# KiCad board motherboard.kicad_pcb
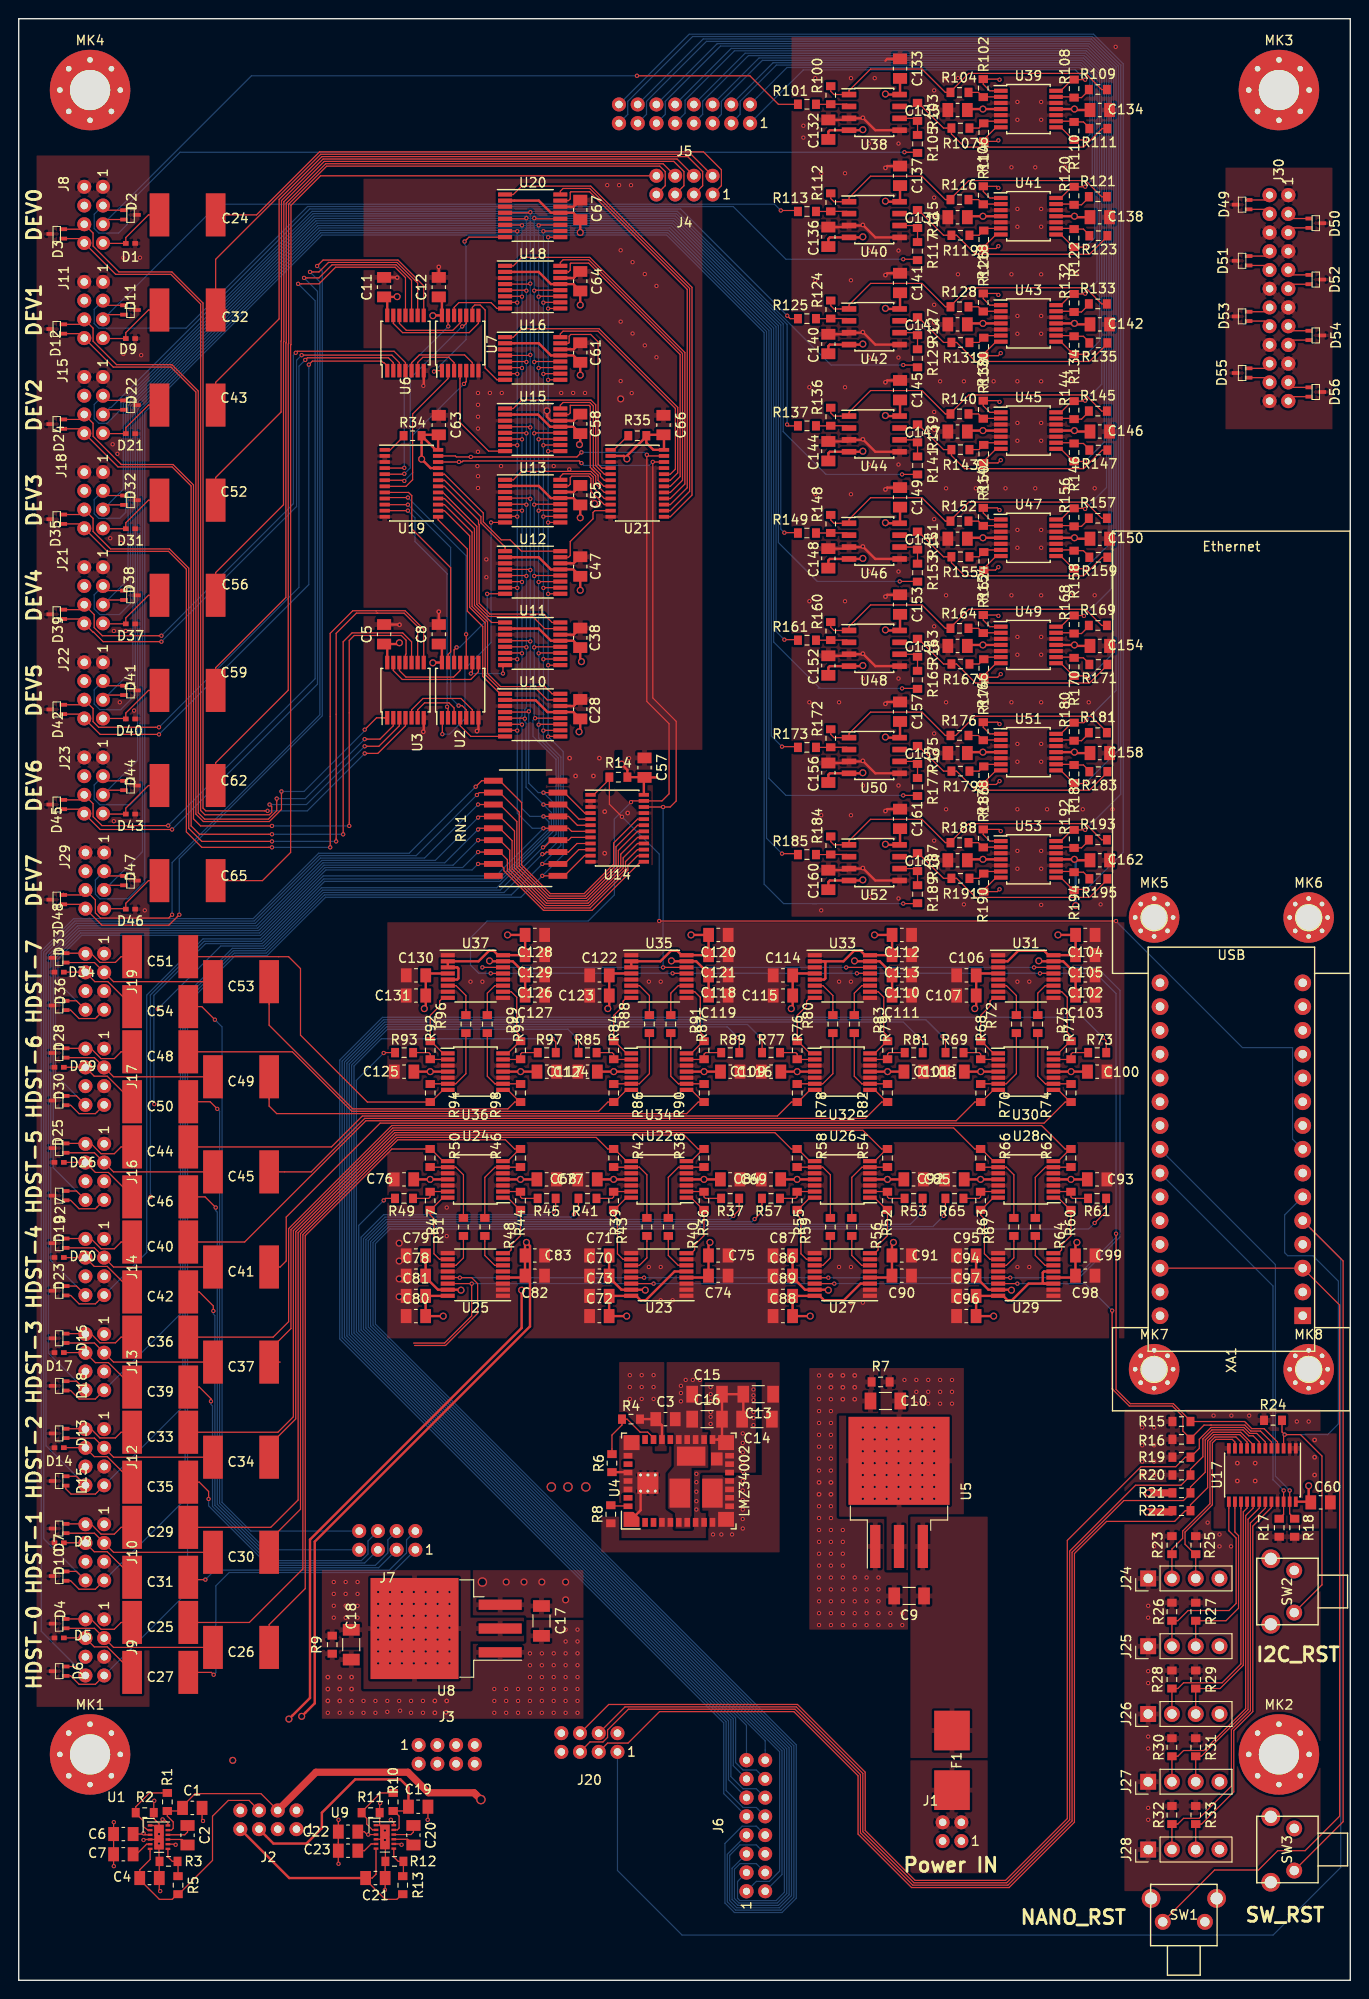
[diagram p0: board, top side]
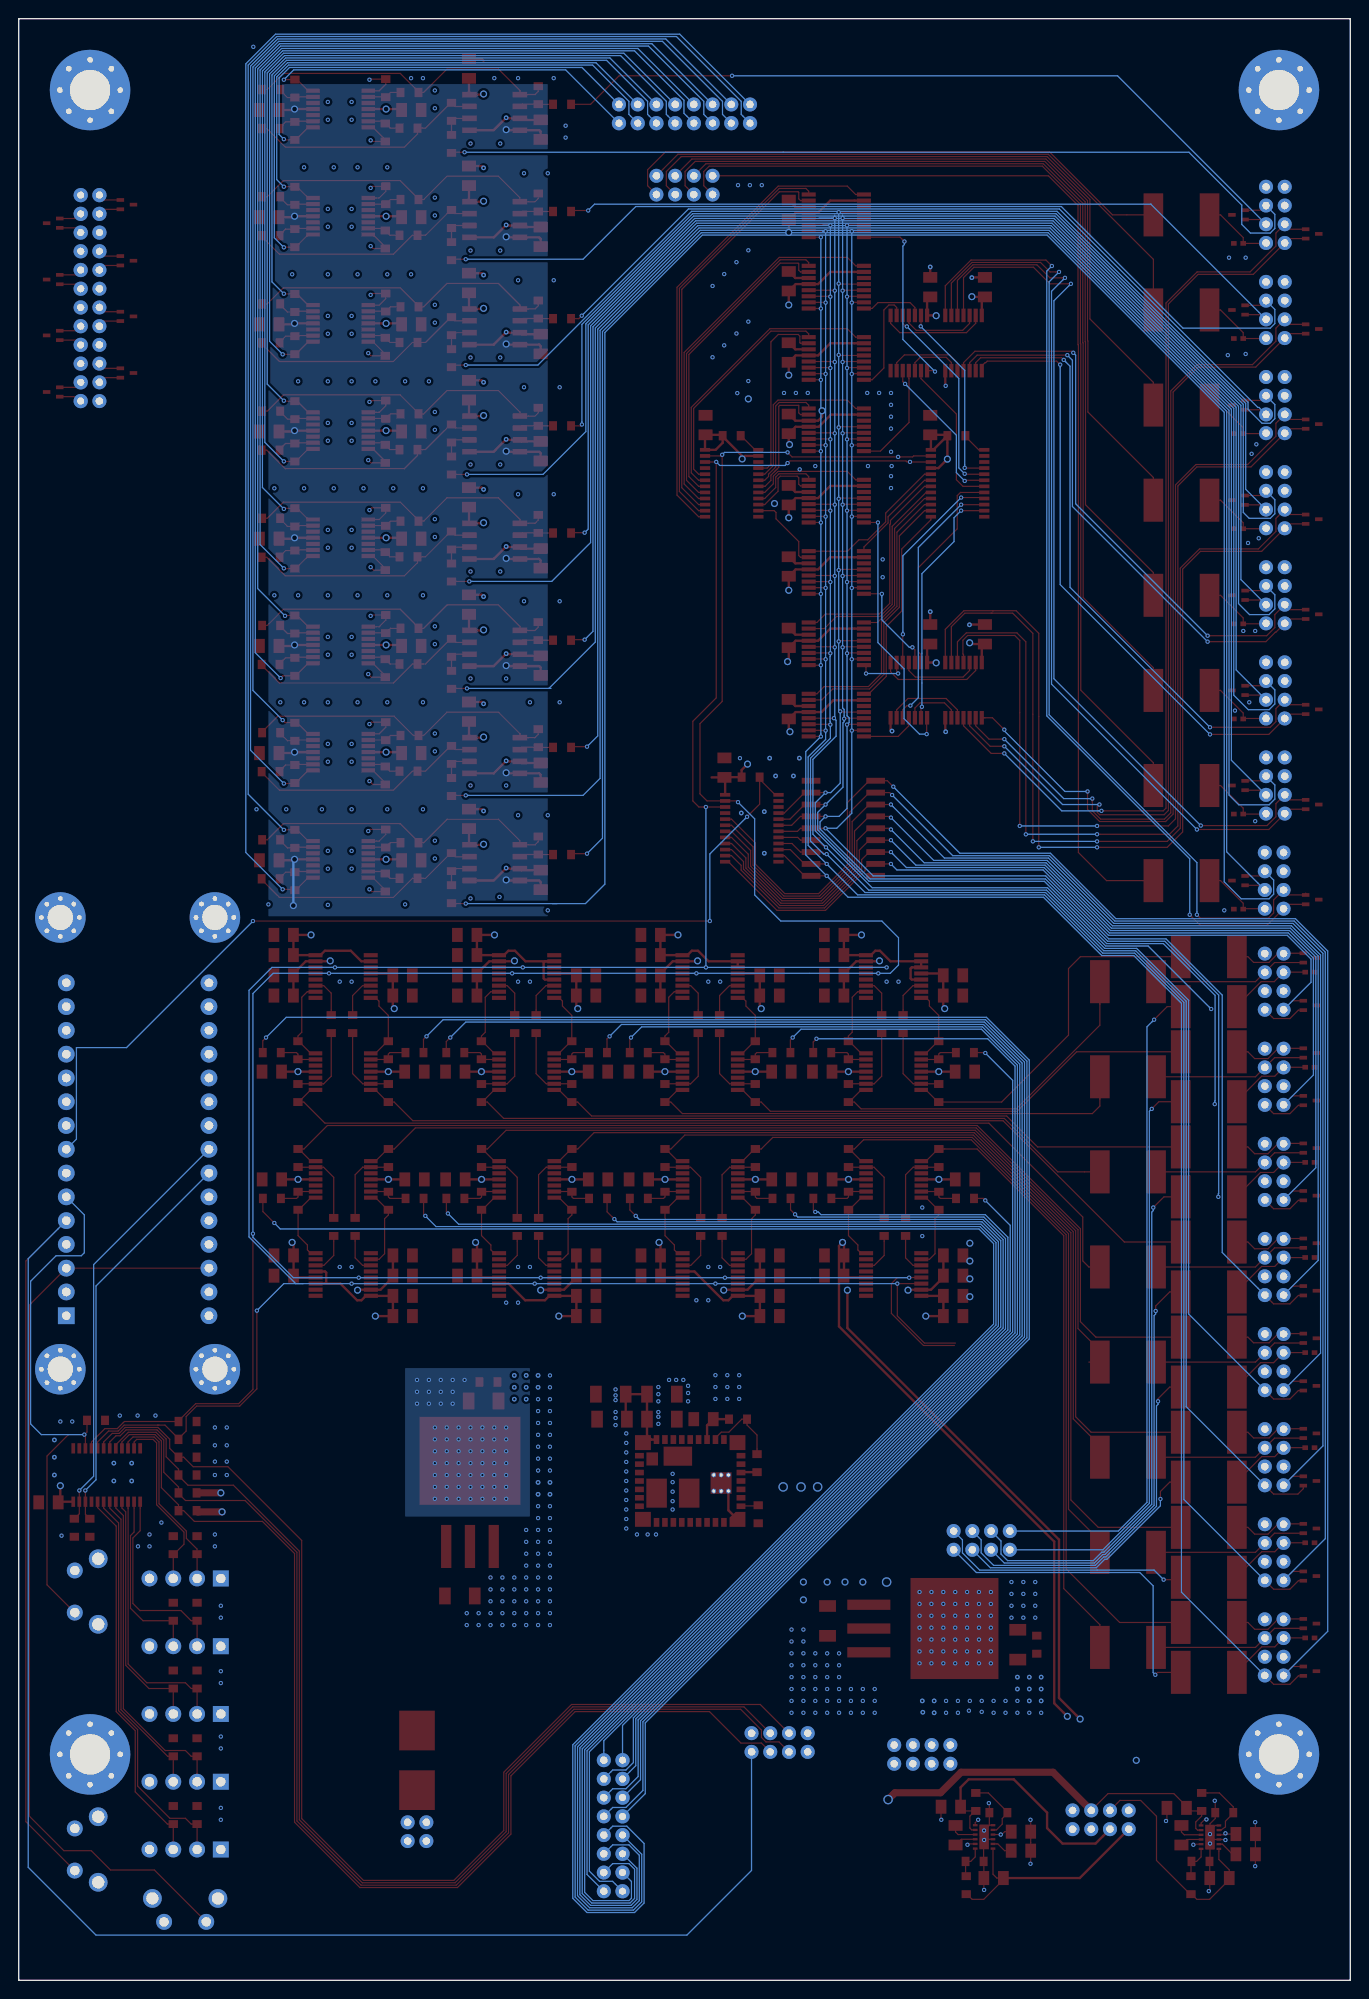
[diagram p1: board, bottom side, seen from below]

Outline 142.24 x 209.55 mm; copper layers: Top, In1.Cu (plane), In2.Cu (plane), Bottom. Coordinates in mm from the lower left corner of the outline.
Outline path: 0,209.55 142.24,209.55 142.24,0 0,0 0,209.55

## Placement (name value [footprint] x y rotation side)
C1  2u2F  [C_0805_2012Metric_Pad1.15x1.50mm_HandSolder]  18.54 18.42 0 top
C2  0.47uF  [C_0805_2012Metric_Pad1.15x1.50mm_HandSolder]  18.03 15.49 270 top
C3  15uF  [C_0805_2012Metric_Pad1.15x1.50mm_HandSolder]  69.09 59.94 0 top
C4  2u2F  [C_0805_2012Metric_Pad1.15x1.50mm_HandSolder]  13.97 10.92 180 top
C5  0.1uF  [C_0805_2012Metric_Pad1.15x1.50mm_HandSolder]  39.03 143.79 90 top
C6  4u7F  [C_0805_2012Metric_Pad1.15x1.50mm_HandSolder]  11.18 15.62 180 top
C7  4u7F  [C_0805_2012Metric_Pad1.15x1.50mm_HandSolder]  11.18 13.46 180 top
C8  0.1uF  [C_0805_2012Metric_Pad1.15x1.50mm_HandSolder]  44.87 143.79 90 top
C9  10uF  [C_1206_3216Metric_Pad1.24x1.80mm_HandSolder]  95.12 41.06 180 top
C10  10uF  [C_1206_3216Metric_Pad1.24x1.80mm_HandSolder]  92.58 61.89 180 top
C11  0.1uF  [C_0805_2012Metric_Pad1.15x1.50mm_HandSolder]  39.03 180.87 90 top
C12  0.1uF  [C_0805_2012Metric_Pad1.15x1.50mm_HandSolder]  44.87 180.87 90 top
C13  22uF  [C_1206_3216Metric_Pad1.24x1.80mm_HandSolder]  78.99 62.61 180 top
C14  22uF  [C_1206_3216Metric_Pad1.24x1.80mm_HandSolder]  78.87 59.94 180 top
C15  22uF  [C_1206_3216Metric_Pad1.24x1.80mm_HandSolder]  73.53 62.61 0 top
C16  22uF  [C_1206_3216Metric_Pad1.24x1.80mm_HandSolder]  73.53 59.94 0 top
C17  10uF  [C_1206_3216Metric_Pad1.24x1.80mm_HandSolder]  55.84 38.39 270 top
C18  10uF  [C_1206_3216Metric_Pad1.24x1.80mm_HandSolder]  35.52 35.85 270 top
C19  2u2F  [C_0805_2012Metric_Pad1.15x1.50mm_HandSolder]  42.67 18.54 0 top
C20  0.47uF  [C_0805_2012Metric_Pad1.15x1.50mm_HandSolder]  42.16 15.49 270 top
C21  2u2F  [C_0805_2012Metric_Pad1.15x1.50mm_HandSolder]  38.1 10.92 180 top
C22  4u7F  [C_0805_2012Metric_Pad1.15x1.50mm_HandSolder]  35.18 15.88 180 top
C23  4u7F  [C_0805_2012Metric_Pad1.15x1.50mm_HandSolder]  35.18 13.84 180 top
C24  1uF  [Kemet_CAP_2220_5750Metric_D]  18.03 188.6 180 top
C25  1uF  [Kemet_CAP_2220_5750Metric_D]  15.11 38.23 0 top
C26  1uF  [Kemet_CAP_2220_5750Metric_D]  23.75 35.56 0 top
C27  1uF  [Kemet_CAP_2220_5750Metric_D]  15.11 32.89 0 top
C28  0.1uF  [C_0805_2012Metric_Pad1.15x1.50mm_HandSolder]  59.98 135.79 90 top
C29  1uF  [Kemet_CAP_2220_5750Metric_D]  15.11 48.39 0 top
C30  1uF  [Kemet_CAP_2220_5750Metric_D]  23.75 45.72 0 top
C31  1uF  [Kemet_CAP_2220_5750Metric_D]  15.11 43.05 0 top
C32  1uF  [Kemet_CAP_2220_5750Metric_D]  18.03 178.44 180 top
C33  1uF  [Kemet_CAP_2220_5750Metric_D]  15.11 58.55 0 top
C34  1uF  [Kemet_CAP_2220_5750Metric_D]  23.75 55.88 0 top
C35  1uF  [Kemet_CAP_2220_5750Metric_D]  15.11 53.21 0 top
C36  1uF  [Kemet_CAP_2220_5750Metric_D]  15.11 68.71 0 top
C37  1uF  [Kemet_CAP_2220_5750Metric_D]  23.75 66.04 0 top
C38  0.1uF  [C_0805_2012Metric_Pad1.15x1.50mm_HandSolder]  59.98 143.41 90 top
C39  1uF  [Kemet_CAP_2220_5750Metric_D]  15.11 63.37 0 top
C40  1uF  [Kemet_CAP_2220_5750Metric_D]  15.11 78.87 0 top
C41  1uF  [Kemet_CAP_2220_5750Metric_D]  23.75 76.2 0 top
C42  1uF  [Kemet_CAP_2220_5750Metric_D]  15.11 73.53 0 top
C43  1uF  [Kemet_CAP_2220_5750Metric_D]  18.03 168.28 180 top
C44  1uF  [Kemet_CAP_2220_5750Metric_D]  15.11 89.03 0 top
C45  1uF  [Kemet_CAP_2220_5750Metric_D]  23.75 86.36 0 top
C46  1uF  [Kemet_CAP_2220_5750Metric_D]  15.11 83.69 0 top
C47  0.1uF  [C_0805_2012Metric_Pad1.15x1.50mm_HandSolder]  59.98 151.03 90 top
C48  1uF  [Kemet_CAP_2220_5750Metric_D]  15.11 99.19 0 top
C49  1uF  [Kemet_CAP_2220_5750Metric_D]  23.75 96.52 0 top
C50  1uF  [Kemet_CAP_2220_5750Metric_D]  15.11 93.85 0 top
C51  1uF  [Kemet_CAP_2220_5750Metric_D]  15.11 109.35 0 top
C52  1uF  [Kemet_CAP_2220_5750Metric_D]  18.03 158.12 180 top
C53  1uF  [Kemet_CAP_2220_5750Metric_D]  23.75 106.68 0 top
C54  1uF  [Kemet_CAP_2220_5750Metric_D]  15.11 104.01 0 top
C55  0.1uF  [C_0805_2012Metric_Pad1.15x1.50mm_HandSolder]  59.98 158.65 90 top
C56  1uF  [Kemet_CAP_2220_5750Metric_D]  18.03 147.96 180 top
C57  0.1uF  [C_0805_2012Metric_Pad1.15x1.50mm_HandSolder]  66.85 129.54 270 top
C58  0.1uF  [C_0805_2012Metric_Pad1.15x1.50mm_HandSolder]  59.98 166.27 90 top
C59  1uF  [Kemet_CAP_2220_5750Metric_D]  18.03 137.8 180 top
C60  0.1uF  [C_0805_2012Metric_Pad1.15x1.50mm_HandSolder]  139.06 51.05 180 top
C61  0.1uF  [C_0805_2012Metric_Pad1.15x1.50mm_HandSolder]  59.98 173.89 90 top
C62  1uF  [Kemet_CAP_2220_5750Metric_D]  18.03 127.64 180 top
C63  0.1uF  [C_0805_2012Metric_Pad1.15x1.50mm_HandSolder]  44.87 166.14 270 top
C64  0.1uF  [C_0805_2012Metric_Pad1.15x1.50mm_HandSolder]  59.98 181.51 90 top
C65  1uF  [Kemet_CAP_2220_5750Metric_D]  18.03 117.48 180 top
C66  0.1uF  [C_0805_2012Metric_Pad1.15x1.50mm_HandSolder]  68.87 166.14 270 top
C67  0.1uF  [C_0805_2012Metric_Pad1.15x1.50mm_HandSolder]  59.98 189.13 90 top
C68  0.1uF  [C_0805_2012Metric_Pad1.15x1.50mm_HandSolder]  60.75 85.56 0 top
C69  0.1uF  [C_0805_2012Metric_Pad1.15x1.50mm_HandSolder]  75.99 85.56 180 top
C70  0.01uF  [C_0805_2012Metric_Pad1.15x1.50mm_HandSolder]  62.02 75.27 0 top
C71  0.1uF  [C_0805_2012Metric_Pad1.15x1.50mm_HandSolder]  62.02 77.43 0 top
C72  0.1uF  [C_0805_2012Metric_Pad1.15x1.50mm_HandSolder]  62.02 70.95 0 top
C73  0.01uF  [C_0805_2012Metric_Pad1.15x1.50mm_HandSolder]  62.02 73.11 0 top
C74  0.01uF  [C_0805_2012Metric_Pad1.15x1.50mm_HandSolder]  74.72 75.27 180 top
C75  0.1uF  [C_0805_2012Metric_Pad1.15x1.50mm_HandSolder]  74.72 77.43 180 top
C76  0.1uF  [C_0805_2012Metric_Pad1.15x1.50mm_HandSolder]  41.15 85.56 0 top
C77  0.1uF  [C_0805_2012Metric_Pad1.15x1.50mm_HandSolder]  56.39 85.56 180 top
C78  0.01uF  [C_0805_2012Metric_Pad1.15x1.50mm_HandSolder]  42.42 75.27 0 top
C79  0.1uF  [C_0805_2012Metric_Pad1.15x1.50mm_HandSolder]  42.42 77.43 0 top
C80  0.1uF  [C_0805_2012Metric_Pad1.15x1.50mm_HandSolder]  42.42 70.95 0 top
C81  0.01uF  [C_0805_2012Metric_Pad1.15x1.50mm_HandSolder]  42.42 73.11 0 top
C82  0.01uF  [C_0805_2012Metric_Pad1.15x1.50mm_HandSolder]  55.12 75.27 180 top
C83  0.1uF  [C_0805_2012Metric_Pad1.15x1.50mm_HandSolder]  55.12 77.43 180 top
C84  0.1uF  [C_0805_2012Metric_Pad1.15x1.50mm_HandSolder]  80.35 85.56 0 top
C85  0.1uF  [C_0805_2012Metric_Pad1.15x1.50mm_HandSolder]  95.59 85.56 180 top
C86  0.01uF  [C_0805_2012Metric_Pad1.15x1.50mm_HandSolder]  81.62 75.27 0 top
C87  0.1uF  [C_0805_2012Metric_Pad1.15x1.50mm_HandSolder]  81.62 77.43 0 top
C88  0.1uF  [C_0805_2012Metric_Pad1.15x1.50mm_HandSolder]  81.62 70.95 0 top
C89  0.01uF  [C_0805_2012Metric_Pad1.15x1.50mm_HandSolder]  81.62 73.11 0 top
C90  0.01uF  [C_0805_2012Metric_Pad1.15x1.50mm_HandSolder]  94.32 75.27 180 top
C91  0.1uF  [C_0805_2012Metric_Pad1.15x1.50mm_HandSolder]  94.32 77.43 180 top
C92  0.1uF  [C_0805_2012Metric_Pad1.15x1.50mm_HandSolder]  99.95 85.56 0 top
C93  0.1uF  [C_0805_2012Metric_Pad1.15x1.50mm_HandSolder]  115.19 85.56 180 top
C94  0.01uF  [C_0805_2012Metric_Pad1.15x1.50mm_HandSolder]  101.22 75.27 0 top
C95  0.1uF  [C_0805_2012Metric_Pad1.15x1.50mm_HandSolder]  101.22 77.43 0 top
C96  0.1uF  [C_0805_2012Metric_Pad1.15x1.50mm_HandSolder]  101.22 70.95 0 top
C97  0.01uF  [C_0805_2012Metric_Pad1.15x1.50mm_HandSolder]  101.22 73.11 0 top
C98  0.01uF  [C_0805_2012Metric_Pad1.15x1.50mm_HandSolder]  113.92 75.27 180 top
C99  0.1uF  [C_0805_2012Metric_Pad1.15x1.50mm_HandSolder]  113.92 77.43 180 top
C100  0.1uF  [C_0805_2012Metric_Pad1.15x1.50mm_HandSolder]  115.21 97.07 180 top
C101  0.1uF  [C_0805_2012Metric_Pad1.15x1.50mm_HandSolder]  99.97 97.07 0 top
C102  0.01uF  [C_0805_2012Metric_Pad1.15x1.50mm_HandSolder]  113.94 107.36 180 top
C103  0.1uF  [C_0805_2012Metric_Pad1.15x1.50mm_HandSolder]  113.94 105.2 180 top
C104  0.1uF  [C_0805_2012Metric_Pad1.15x1.50mm_HandSolder]  113.94 111.67 180 top
C105  0.01uF  [C_0805_2012Metric_Pad1.15x1.50mm_HandSolder]  113.94 109.52 180 top
C106  0.01uF  [C_0805_2012Metric_Pad1.15x1.50mm_HandSolder]  101.24 107.36 0 top
C107  0.1uF  [C_0805_2012Metric_Pad1.15x1.50mm_HandSolder]  101.24 105.2 0 top
C108  0.1uF  [C_0805_2012Metric_Pad1.15x1.50mm_HandSolder]  95.61 97.07 180 top
C109  0.1uF  [C_0805_2012Metric_Pad1.15x1.50mm_HandSolder]  80.37 97.07 0 top
C110  0.01uF  [C_0805_2012Metric_Pad1.15x1.50mm_HandSolder]  94.34 107.36 180 top
C111  0.1uF  [C_0805_2012Metric_Pad1.15x1.50mm_HandSolder]  94.34 105.2 180 top
C112  0.1uF  [C_0805_2012Metric_Pad1.15x1.50mm_HandSolder]  94.34 111.67 180 top
C113  0.01uF  [C_0805_2012Metric_Pad1.15x1.50mm_HandSolder]  94.34 109.52 180 top
C114  0.01uF  [C_0805_2012Metric_Pad1.15x1.50mm_HandSolder]  81.64 107.36 0 top
C115  0.1uF  [C_0805_2012Metric_Pad1.15x1.50mm_HandSolder]  81.64 105.2 0 top
C116  0.1uF  [C_0805_2012Metric_Pad1.15x1.50mm_HandSolder]  76.01 97.07 180 top
C117  0.1uF  [C_0805_2012Metric_Pad1.15x1.50mm_HandSolder]  60.77 97.07 0 top
C118  0.01uF  [C_0805_2012Metric_Pad1.15x1.50mm_HandSolder]  74.74 107.36 180 top
C119  0.1uF  [C_0805_2012Metric_Pad1.15x1.50mm_HandSolder]  74.74 105.2 180 top
C120  0.1uF  [C_0805_2012Metric_Pad1.15x1.50mm_HandSolder]  74.74 111.67 180 top
C121  0.01uF  [C_0805_2012Metric_Pad1.15x1.50mm_HandSolder]  74.74 109.52 180 top
C122  0.01uF  [C_0805_2012Metric_Pad1.15x1.50mm_HandSolder]  62.04 107.36 0 top
C123  0.1uF  [C_0805_2012Metric_Pad1.15x1.50mm_HandSolder]  62.04 105.2 0 top
C124  0.1uF  [C_0805_2012Metric_Pad1.15x1.50mm_HandSolder]  56.41 97.07 180 top
C125  0.1uF  [C_0805_2012Metric_Pad1.15x1.50mm_HandSolder]  41.17 97.07 0 top
C126  0.01uF  [C_0805_2012Metric_Pad1.15x1.50mm_HandSolder]  55.14 107.36 180 top
C127  0.1uF  [C_0805_2012Metric_Pad1.15x1.50mm_HandSolder]  55.14 105.2 180 top
C128  0.1uF  [C_0805_2012Metric_Pad1.15x1.50mm_HandSolder]  55.14 111.67 180 top
C129  0.01uF  [C_0805_2012Metric_Pad1.15x1.50mm_HandSolder]  55.14 109.52 180 top
C130  0.01uF  [C_0805_2012Metric_Pad1.15x1.50mm_HandSolder]  42.44 107.36 0 top
C131  0.1uF  [C_0805_2012Metric_Pad1.15x1.50mm_HandSolder]  42.44 105.2 0 top
C132  0.1uF  [C_0805_2012Metric_Pad1.15x1.50mm_HandSolder]  86.49 197.7 270 top
C133  0.1uF  [C_0805_2012Metric_Pad1.15x1.50mm_HandSolder]  94.14 204.22 270 top
C134  0.1uF  [C_0805_2012Metric_Pad1.15x1.50mm_HandSolder]  115.48 199.8 180 top
C135  0.1uF  [C_0805_2012Metric_Pad1.15x1.50mm_HandSolder]  100.29 199.8 0 top
C136  0.1uF  [C_0805_2012Metric_Pad1.15x1.50mm_HandSolder]  86.49 186.25 270 top
C137  0.1uF  [C_0805_2012Metric_Pad1.15x1.50mm_HandSolder]  94.14 192.77 270 top
C138  0.1uF  [C_0805_2012Metric_Pad1.15x1.50mm_HandSolder]  115.48 188.35 180 top
C139  0.1uF  [C_0805_2012Metric_Pad1.15x1.50mm_HandSolder]  100.29 188.35 0 top
C140  0.1uF  [C_0805_2012Metric_Pad1.15x1.50mm_HandSolder]  86.49 174.8 270 top
C141  0.1uF  [C_0805_2012Metric_Pad1.15x1.50mm_HandSolder]  94.14 181.32 270 top
C142  0.1uF  [C_0805_2012Metric_Pad1.15x1.50mm_HandSolder]  115.48 176.9 180 top
C143  0.1uF  [C_0805_2012Metric_Pad1.15x1.50mm_HandSolder]  100.29 176.9 0 top
C144  0.1uF  [C_0805_2012Metric_Pad1.15x1.50mm_HandSolder]  86.49 163.35 270 top
C145  0.1uF  [C_0805_2012Metric_Pad1.15x1.50mm_HandSolder]  94.14 169.87 270 top
C146  0.1uF  [C_0805_2012Metric_Pad1.15x1.50mm_HandSolder]  115.48 165.45 180 top
C147  0.1uF  [C_0805_2012Metric_Pad1.15x1.50mm_HandSolder]  100.29 165.45 0 top
C148  0.1uF  [C_0805_2012Metric_Pad1.15x1.50mm_HandSolder]  86.49 151.9 270 top
C149  0.1uF  [C_0805_2012Metric_Pad1.15x1.50mm_HandSolder]  94.14 158.42 270 top
C150  0.1uF  [C_0805_2012Metric_Pad1.15x1.50mm_HandSolder]  115.48 154 180 top
C151  0.1uF  [C_0805_2012Metric_Pad1.15x1.50mm_HandSolder]  100.29 154 0 top
C152  0.1uF  [C_0805_2012Metric_Pad1.15x1.50mm_HandSolder]  86.49 140.45 270 top
C153  0.1uF  [C_0805_2012Metric_Pad1.15x1.50mm_HandSolder]  94.14 146.97 270 top
C154  0.1uF  [C_0805_2012Metric_Pad1.15x1.50mm_HandSolder]  115.48 142.55 180 top
C155  0.1uF  [C_0805_2012Metric_Pad1.15x1.50mm_HandSolder]  100.29 142.55 0 top
C156  0.1uF  [C_0805_2012Metric_Pad1.15x1.50mm_HandSolder]  86.49 129 270 top
C157  0.1uF  [C_0805_2012Metric_Pad1.15x1.50mm_HandSolder]  94.14 135.52 270 top
C158  0.1uF  [C_0805_2012Metric_Pad1.15x1.50mm_HandSolder]  115.48 131.1 180 top
C159  0.1uF  [C_0805_2012Metric_Pad1.15x1.50mm_HandSolder]  100.29 131.1 0 top
C160  0.1uF  [C_0805_2012Metric_Pad1.15x1.50mm_HandSolder]  86.49 117.55 270 top
C161  0.1uF  [C_0805_2012Metric_Pad1.15x1.50mm_HandSolder]  94.14 124.07 270 top
C162  0.1uF  [C_0805_2012Metric_Pad1.15x1.50mm_HandSolder]  115.48 119.65 180 top
C163  0.1uF  [C_0805_2012Metric_Pad1.15x1.50mm_HandSolder]  100.29 119.65 0 top
D1  TPD1E10B06  [DPY_(R-PX1SON-N2)]  11.94 185.55 0 top
D2  0582BQ  [SC-75_3L]  11.94 188.6 270 top
D3  0582BQ  [SC-75_3L]  4.06 186.56 90 top
D4  0582BQ  [SC-75_3L]  4.32 38.1 90 top
D5  TPD1E10B06  [DPY_(R-PX1SON-N2)]  4.32 36.58 0 top
D6  0582BQ  [SC-75_3L]  4.32 33.02 90 top
D7  0582BQ  [SC-75_3L]  4.32 48.26 90 top
D8  TPD1E10B06  [DPY_(R-PX1SON-N2)]  4.32 46.74 0 top
D9  TPD1E10B06  [DPY_(R-PX1SON-N2)]  11.94 175.39 0 top
D10  0582BQ  [SC-75_3L]  4.32 43.18 90 top
D11  0582BQ  [SC-75_3L]  11.94 178.44 270 top
D12  0582BQ  [SC-75_3L]  4.06 176.4 90 top
D13  0582BQ  [SC-75_3L]  4.32 58.42 90 top
D14  TPD1E10B06  [DPY_(R-PX1SON-N2)]  4.32 56.9 0 top
D15  0582BQ  [SC-75_3L]  4.32 53.34 90 top
D16  0582BQ  [SC-75_3L]  4.32 68.58 90 top
D17  TPD1E10B06  [DPY_(R-PX1SON-N2)]  4.32 67.06 0 top
D18  0582BQ  [SC-75_3L]  4.32 63.5 90 top
D19  0582BQ  [SC-75_3L]  4.32 78.74 90 top
D20  TPD1E10B06  [DPY_(R-PX1SON-N2)]  4.32 77.22 0 top
D21  TPD1E10B06  [DPY_(R-PX1SON-N2)]  11.94 165.23 0 top
D22  0582BQ  [SC-75_3L]  11.94 168.28 270 top
D23  0582BQ  [SC-75_3L]  4.32 73.66 90 top
D24  0582BQ  [SC-75_3L]  4.06 166.24 90 top
D25  0582BQ  [SC-75_3L]  4.32 88.9 90 top
D26  TPD1E10B06  [DPY_(R-PX1SON-N2)]  4.32 87.38 0 top
D27  0582BQ  [SC-75_3L]  4.32 83.82 90 top
D28  0582BQ  [SC-75_3L]  4.32 99.06 90 top
D29  TPD1E10B06  [DPY_(R-PX1SON-N2)]  4.32 97.54 0 top
D30  0582BQ  [SC-75_3L]  4.32 93.98 90 top
D31  TPD1E10B06  [DPY_(R-PX1SON-N2)]  11.94 155.07 0 top
D32  0582BQ  [SC-75_3L]  11.94 158.12 270 top
D33  0582BQ  [SC-75_3L]  4.32 109.22 90 top
D34  TPD1E10B06  [DPY_(R-PX1SON-N2)]  4.32 107.7 0 top
D35  0582BQ  [SC-75_3L]  4.06 156.08 90 top
D36  0582BQ  [SC-75_3L]  4.32 104.14 90 top
D37  TPD1E10B06  [DPY_(R-PX1SON-N2)]  11.94 144.91 0 top
D38  0582BQ  [SC-75_3L]  11.94 147.96 270 top
D39  0582BQ  [SC-75_3L]  4.06 145.92 90 top
D40  TPD1E10B06  [DPY_(R-PX1SON-N2)]  11.94 134.75 0 top
D41  0582BQ  [SC-75_3L]  11.94 137.8 270 top
D42  0582BQ  [SC-75_3L]  4.06 135.76 90 top
D43  TPD1E10B06  [DPY_(R-PX1SON-N2)]  11.94 124.59 0 top
D44  0582BQ  [SC-75_3L]  11.94 127.64 270 top
D45  0582BQ  [SC-75_3L]  4.06 125.6 90 top
D46  TPD1E10B06  [DPY_(R-PX1SON-N2)]  11.94 114.43 0 top
D47  0582BQ  [SC-75_3L]  11.94 117.48 270 top
D48  0582BQ  [SC-75_3L]  4.06 115.44 90 top
D49  0582BQ  [SC-75_3L]  130.68 189.69 90 top
D50  0582BQ  [SC-75_3L]  138.56 187.71 270 top
D51  0582BQ  [SC-75_3L]  130.68 183.69 90 top
D52  0582BQ  [SC-75_3L]  138.56 181.69 270 top
D53  0582BQ  [SC-75_3L]  130.68 177.75 90 top
D54  0582BQ  [SC-75_3L]  138.56 175.72 270 top
D55  0582BQ  [SC-75_3L]  130.68 171.7 90 top
D56  0582BQ  [SC-75_3L]  138.56 169.67 270 top
F1  5A  [NANO-0154-OMNI-BLOK-Fuse-Holder]  99.69 23.5 90 top
J1  Power In (Male-top)  [DF11-4DP-2DSA]  99.69 15.88 0 top
J2  Power Out (Male-top)  [DF11-8DP-2DSA]  26.67 17.15 0 top
J3  GND (Male-top)  [DF11-8DP-2DSA]  45.72 24.13 180 top
J4  MIC-IN (Male-top)  [DF11-8DP-2DSA]  71.12 191.77 0 top
J5  Headphone Audio Out (Male-top)  [DF11-16DP-2DSA]  71.12 199.39 0 top
J6  Headphone Audio In (Male-top)  [DF11-16DP-2DSA]  78.74 16.51 270 top
J7  MIC-OUT (Male-top)  [DF11-8DP-2DSA]  39.37 46.99 0 top
J8  Device 0  [DF11-8DP-2DSA]  8 188.6 90 top
J9  Headset 0  [DF11-8DP-2DSA]  8.13 35.56 90 top
J10  Headset 1  [DF11-8DP-2DSA]  8.13 45.72 90 top
J11  Device 1  [DF11-8DP-2DSA]  8 178.44 90 top
J12  Headset 2  [DF11-8DP-2DSA]  8.13 55.88 90 top
J13  Headset 3  [DF11-8DP-2DSA]  8.13 66.04 90 top
J14  Headset 4  [DF11-8DP-2DSA]  8.13 76.2 90 top
J15  Device 2  [DF11-8DP-2DSA]  8 168.28 90 top
J16  Headset 5  [DF11-8DP-2DSA]  8.13 86.36 90 top
J17  Headset 6  [DF11-8DP-2DSA]  8.13 96.52 90 top
J18  Device 3  [DF11-8DP-2DSA]  8 158.12 90 top
J19  Headset 7  [DF11-8DP-2DSA]  8.13 106.68 90 top
J20  I2C and RESET (Male-top)  [DF11-8DP-2DSA]  60.96 25.4 0 top
J21  Device 4  [DF11-8DP-2DSA]  8 147.96 90 top
J22  Device 5  [DF11-8DP-2DSA]  8 137.8 90 top
J23  Device 6  [DF11-8DP-2DSA]  8 127.64 90 top
J24  5V-I2C-2  [PinHeader_1x04_P2.54mm_Vertical]  120.65 42.93 90 top
J25  5V-I2C-3  [PinHeader_1x04_P2.54mm_Vertical]  120.65 35.69 90 top
J26  5V-I2C-4  [PinHeader_1x04_P2.54mm_Vertical]  120.65 28.45 90 top
J27  5V-I2C-5  [PinHeader_1x04_P2.54mm_Vertical]  120.65 21.21 90 top
J28  5V-I2C-6  [PinHeader_1x04_P2.54mm_Vertical]  120.65 13.97 90 top
J29  Device 7  [DF11-8DP-2DSA]  8.13 117.48 90 top
J30  Output to Mixer  [DF11-24DP-2DSA]  134.62 179.71 90 top
MK1  Mounting_Hole_PAD  [MountingHole_4.3mm_M4_Pad_Via]  7.62 24.13 0 top
MK2  Mounting_Hole_PAD  [MountingHole_4.3mm_M4_Pad_Via]  134.62 24.13 0 top
MK3  Mounting_Hole_PAD  [MountingHole_4.3mm_M4_Pad_Via]  134.62 201.93 0 top
MK4  Mounting_Hole_PAD  [MountingHole_4.3mm_M4_Pad_Via]  7.62 201.93 0 top
MK5  Mounting_Hole_PAD  [MountingHole_2.7mm_M2.5_Pad_Via]  121.28 113.54 0 top
MK6  Mounting_Hole_PAD  [MountingHole_2.7mm_M2.5_Pad_Via]  137.8 113.54 0 top
MK7  Mounting_Hole_PAD  [MountingHole_2.7mm_M2.5_Pad_Via]  121.28 65.28 0 top
MK8  Mounting_Hole_PAD  [MountingHole_2.7mm_M2.5_Pad_Via]  137.8 65.28 0 top
R1  75kΩ  [R_0603_1608Metric_Pad0.84x1.00mm_HandSolder]  15.87 19.05 90 top
R2  68kΩ  [R_0603_1608Metric_Pad0.84x1.00mm_HandSolder]  13.46 17.91 0 top
R3  68kΩ  [R_0603_1608Metric_Pad0.84x1.00mm_HandSolder]  16 12.7 0 top
R4  174kΩ  [R_0603_1608Metric_Pad0.84x1.00mm_HandSolder]  65.41 59.94 180 top
R5  75kΩ  [R_0603_1608Metric_Pad0.84x1.00mm_HandSolder]  17.02 10.16 270 top
R6  22.6kΩ  [R_0603_1608Metric_Pad0.84x1.00mm_HandSolder]  63.37 55.25 270 top
R7  1.3Ω  [R_0603_1608Metric_Pad0.84x1.00mm_HandSolder]  92.07 63.92 0 top
R8  143kΩ  [R_0603_1608Metric_Pad0.84x1.00mm_HandSolder]  63.25 49.78 270 top
R9  1.3Ω  [R_0603_1608Metric_Pad0.84x1.00mm_HandSolder]  33.49 35.85 90 top
R10  220kΩ  [R_0603_1608Metric_Pad0.84x1.00mm_HandSolder]  40.01 19.05 90 top
R11  68kΩ  [R_0603_1608Metric_Pad0.84x1.00mm_HandSolder]  37.59 17.91 0 top
R12  68kΩ  [R_0603_1608Metric_Pad0.84x1.00mm_HandSolder]  40.13 12.7 0 top
R13  220kΩ  [R_0603_1608Metric_Pad0.84x1.00mm_HandSolder]  41.02 10.16 270 top
R14  10kΩ  [R_0603_1608Metric_Pad0.84x1.00mm_HandSolder]  64.06 128.53 180 top
R15  4k7Ω  [R_0603_1608Metric_Pad0.84x1.00mm_HandSolder]  124.21 59.69 0 top
R16  4k7Ω  [R_0603_1608Metric_Pad0.84x1.00mm_HandSolder]  124.21 57.79 0 top
R17  4k7Ω  [R_0603_1608Metric_Pad0.84x1.00mm_HandSolder]  134.65 48.34 90 top
R18  4k7Ω  [R_0603_1608Metric_Pad0.84x1.00mm_HandSolder]  136.3 48.34 90 top
R19  4k7Ω  [R_0603_1608Metric_Pad0.84x1.00mm_HandSolder]  124.21 55.88 0 top
R20  4k7Ω  [R_0603_1608Metric_Pad0.84x1.00mm_HandSolder]  124.21 53.98 0 top
R21  4k7Ω  [R_0603_1608Metric_Pad0.84x1.00mm_HandSolder]  124.21 52.07 0 top
R22  4k7Ω  [R_0603_1608Metric_Pad0.84x1.00mm_HandSolder]  124.21 50.17 0 top
R23  4k7Ω  [R_0603_1608Metric_Pad0.84x1.00mm_HandSolder]  123.19 46.48 270 top
R24  10kΩ  [R_0603_1608Metric_Pad0.84x1.00mm_HandSolder]  133.99 59.82 0 top
R25  4k7Ω  [R_0603_1608Metric_Pad0.84x1.00mm_HandSolder]  125.73 46.48 270 top
R26  4k7Ω  [R_0603_1608Metric_Pad0.84x1.00mm_HandSolder]  123.19 39.37 270 top
R27  4k7Ω  [R_0603_1608Metric_Pad0.84x1.00mm_HandSolder]  125.73 39.37 270 top
R28  4k7Ω  [R_0603_1608Metric_Pad0.84x1.00mm_HandSolder]  123.19 32.13 270 top
R29  4k7Ω  [R_0603_1608Metric_Pad0.84x1.00mm_HandSolder]  125.73 32.13 270 top
R30  4k7Ω  [R_0603_1608Metric_Pad0.84x1.00mm_HandSolder]  123.19 24.89 270 top